# EAGLE board Mk4 Final Panel 6up 3x2 (EAGLE 9.0.1), part 16 of 18 (continued)
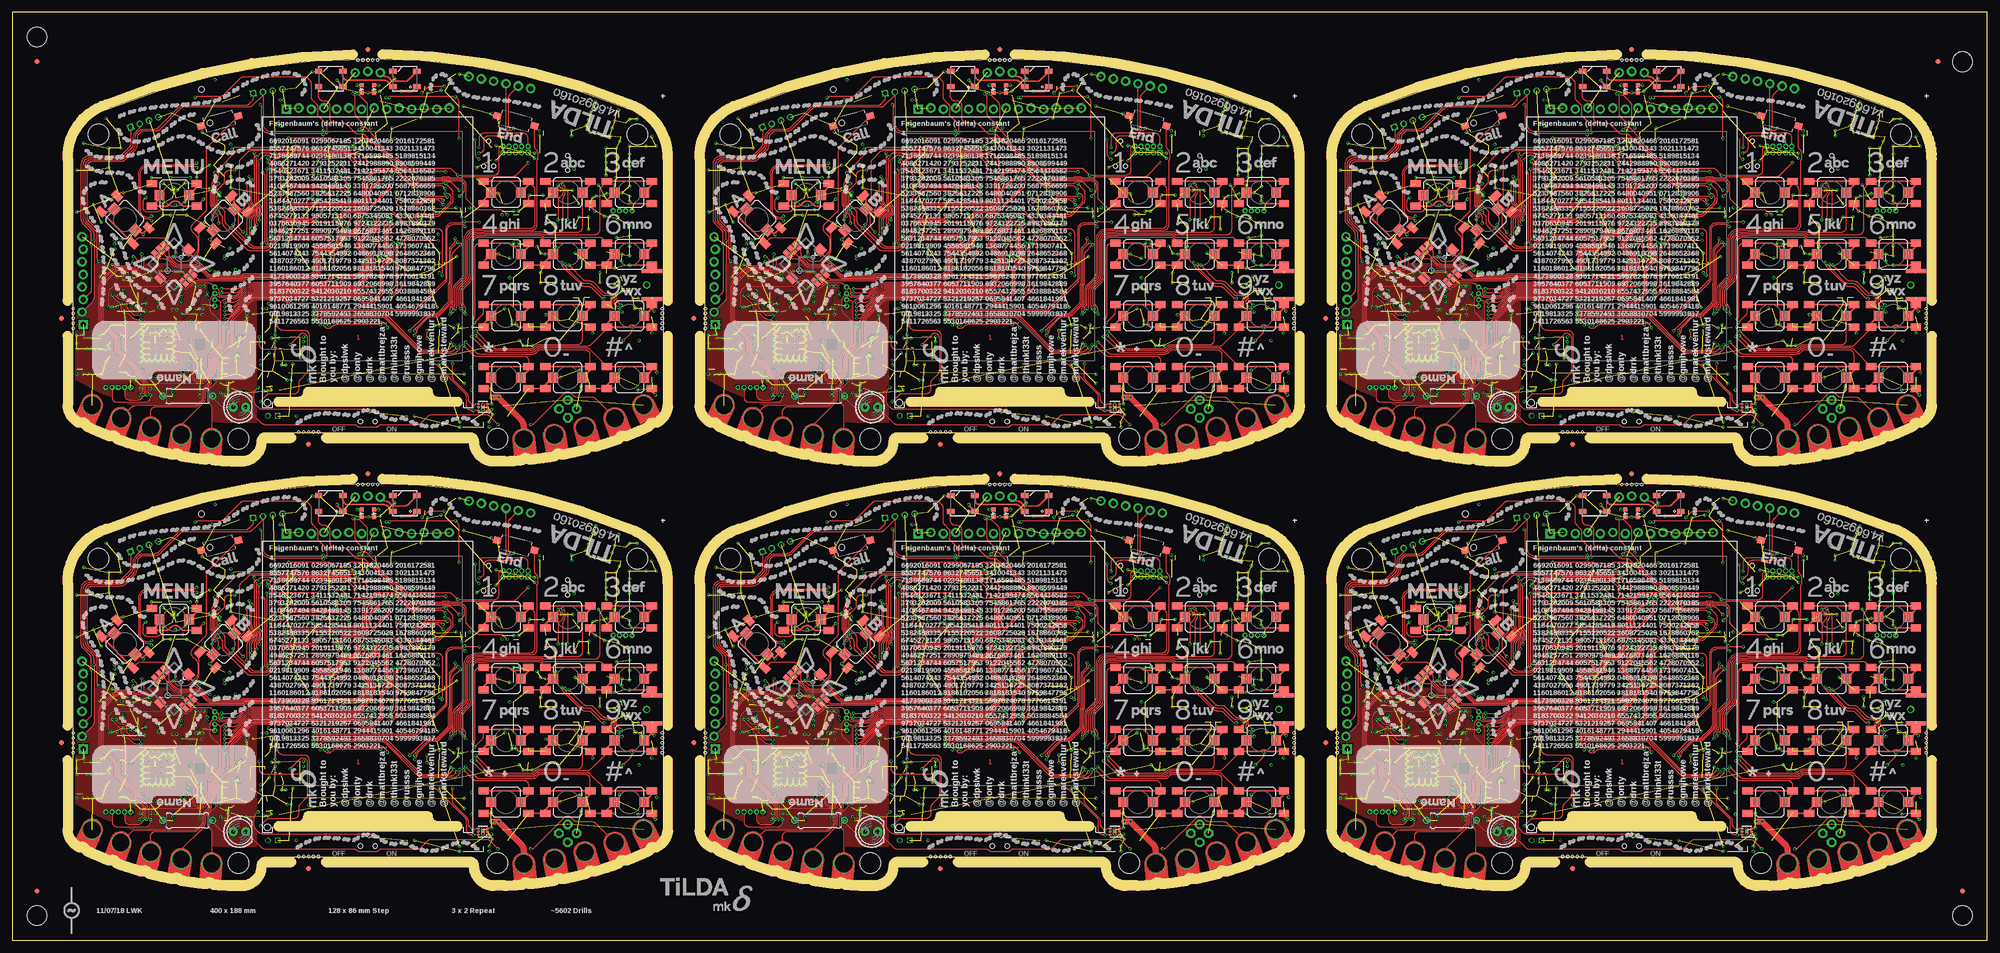
[diagram p0: board, top side]
## Tracks (layer width: path | path; a pad name or v marks a point on that pad's centre or on a via) (continued)
UART3_CC_TX4  (via drill 0.3)
  Top 0.15: v291.75,29.75 292.45,29.05 292.45,28.2 arc90 293.7,26.95 293.85,26.95 arc90 295.1,28.2 arc-45 295.49,29.14 295.73,29.38 arc45 296.1,30.27 296.1,31.62 arc-45 296.76,33.21 297.88,34.33 arc45 298.25,35.22 298.25,43.25 | 298.25,43.25 298.71,43.71 arc-45 299.41,44 300.96,44 arc45 302.02,44.44 302.88,45.3 arc-45 304.82,46.1 325.03,46.1 arc45 326.09,46.54 328.41,48.85 arc45 328.7,49.56 328.7,50.02 arc-45 328.85,50.37 329.05,50.58 arc45 329.2,50.93 329.2,57.09 arc-45 329.41,57.59 329.75,57.94 arc45 329.9,58.29 329.9,58.3 arc-45 330.05,58.66 arc45 330.12,58.84 330.12,59.67 arc-45 330.27,60.02 v330.75,60.5 | JP43.2 297.32,43.77 arc-45 298.02,43.48 298.25,43.25
  Bottom 0.15: IC83.57 arc-90 290.65,33.55 290.65,32.06 arc45 290.71,31.92 290.77,31.86 arc-45 290.82,31.72 290.82,31.09 arc45 291.12,30.38 v291.75,29.75 R381.1 | v330.75,60.5 330.75,62.27 arc-90 331.75,63.27 333.62,63.27 333.69,63.2 IC74.117
UART3_CC_TX6  (via drill 0.3)
  Top 0.15: v291.75,115.75 292.45,115.05 292.45,114.2 arc90 293.7,112.95 293.85,112.95 arc90 295.1,114.2 arc-45 295.49,115.14 295.73,115.38 arc45 296.1,116.27 296.1,117.62 arc-45 296.76,119.21 297.88,120.33 arc45 298.25,121.22 298.25,129.25 | 298.25,129.25 298.71,129.71 arc-45 299.41,130 300.96,130 arc45 302.02,130.44 302.88,131.3 arc-45 304.82,132.1 325.03,132.1 arc45 326.09,132.54 328.41,134.85 arc45 328.7,135.56 328.7,136.02 arc-45 328.85,136.37 329.05,136.58 arc45 329.2,136.93 329.2,143.09 arc-45 329.41,143.59 329.75,143.94 arc45 329.9,144.29 329.9,144.3 arc-45 330.05,144.66 arc45 330.12,144.84 330.12,145.67 arc-45 330.27,146.02 v330.75,146.5 | JP61.2 297.32,129.77 arc-45 298.02,129.48 298.25,129.25
  Bottom 0.15: IC119.57 arc-90 290.65,119.55 290.65,118.06 arc45 290.71,117.92 290.77,117.86 arc-45 290.82,117.72 290.82,117.09 arc45 291.12,116.38 v291.75,115.75 R537.1 | v330.75,146.5 330.75,148.28 arc-90 331.75,149.28 333.62,149.28 333.69,149.2 IC110.117
UART4_EXT_RX  (via drill 0.3)
  Top 0.15: PCB.CH3 28.04,21.1 arc-90 29.04,22.1 36.88,22.1 arc45 37.77,22.47 38.48,23.18 arc45 38.85,24.07 38.85,24.93 arc-45 39.29,25.99 39.73,26.43 arc45 40.1,27.32 40.1,27.86 arc-45 40.47,28.74 arc45 41,30.03 41,31.55 arc-45 41.44,32.61 43.41,34.58 arc45 43.7,35.29 v43.7,37.5 | v71.4,51.7 71.35,51.65 arc45 71.2,51.29 71.2,50.37 arc-45 70.83,49.48 70.42,49.07 arc-45 69.53,48.7 65.61,48.7 arc45 64.91,48.41 63.87,47.37 arc-45 62.98,47 48.76,47 arc45 46.38,46.08 45.8,45.49 arc-45 45.09,45.2 v42.4,45.2
  Top 0.2: J10.1 arc-45 24.1,78.32 24.1,75.51 arc-45 23.81,74.81 22.29,73.29 arc-45 21.59,73 15.75,73 arc90 14,71.25 14,59.91 arc45 14.29,59.21 15.71,57.79 arc-45 16,57.09 v16,55 16,45.87 arc-45 15.71,45.16 JP6.3
  3V3@2 0.15: 28,17.87 PCB.CH3 | v42.4,45.2 42.3,45.2 41.75,45.75 41.75,46.73 40.95,47.53 v40.95,49.35 | v20.7,55 v16,55
  Bottom 0.15: v71.4,51.7 71.32,51.78 arc-45 71.18,52.13 71.18,53.37 arc45 71.03,53.72 70.85,53.9 arc-45 70.7,54.26 70.7,55.26 arc-45 70.99,55.97 71.11,56.08 arc45 71.4,56.79 IC1.18 | v42.4,45.2 arc-45 42.91,44.99 43.71,44.19 arc-45 44,43.49 44,38.21 arc-45 v43.71,37.51 v43.7,37.5 | v20.7,55 32.41,55 arc-45 33.12,54.71 34.71,53.11 arc45 35.95,52.6 38.9,52.6 arc-90 39.9,51.6 39.9,51.03 arc45 40.03,50.73 40.63,50.12 arc-45 v40.95,49.35
  Bottom 0.3: J10.5 J10.1
UART4_EXT_RX1  (via drill 0.3)
  Top 0.15: PCB1.CH3 156.04,21.1 arc-90 157.04,22.1 164.88,22.1 arc45 165.77,22.47 166.48,23.18 arc45 166.85,24.07 166.85,24.93 arc-45 167.29,25.99 167.73,26.43 arc45 168.1,27.32 168.1,27.86 arc-45 168.47,28.74 arc45 169,30.03 169,31.55 arc-45 169.44,32.61 171.41,34.58 arc45 171.7,35.29 v171.7,37.5 | v199.4,51.7 199.35,51.65 arc45 199.2,51.29 199.2,50.37 arc-45 198.83,49.48 198.42,49.07 arc-45 197.53,48.7 193.61,48.7 arc45 192.91,48.41 191.87,47.37 arc-45 190.98,47 176.76,47 arc45 174.38,46.08 173.8,45.49 arc-45 173.09,45.2 v170.4,45.2
  Top 0.2: J16.1 arc-45 152.1,78.32 152.1,75.51 arc-45 151.81,74.81 150.29,73.29 arc-45 149.59,73 143.75,73 arc90 142,71.25 142,59.91 arc45 142.29,59.21 143.71,57.79 arc-45 144,57.09 v144,55 144,45.87 arc-45 143.71,45.16 JP17.3
  3V3@2 0.15: 156,17.87 PCB1.CH3 | v170.4,45.2 170.3,45.2 169.75,45.75 169.75,46.73 168.95,47.53 v168.95,49.35 | v148.7,55 v144,55
  Bottom 0.15: v199.4,51.7 199.32,51.78 arc-45 199.18,52.13 199.18,53.37 arc45 199.03,53.72 198.85,53.9 arc-45 198.7,54.26 198.7,55.26 arc-45 198.99,55.97 199.11,56.08 arc45 199.4,56.79 IC20.18 | v170.4,45.2 arc-45 170.91,44.99 171.71,44.19 arc-45 172,43.49 172,38.21 arc-45 v171.71,37.51 v171.7,37.5 | v148.7,55 160.41,55 arc-45 161.12,54.71 162.71,53.11 arc45 163.95,52.6 166.9,52.6 arc-90 167.9,51.6 167.9,51.03 arc45 168.03,50.73 168.63,50.12 arc-45 v168.95,49.35
  Bottom 0.3: J16.5 J16.1
UART4_EXT_RX2  (via drill 0.3)
  Top 0.15: PCB2.CH3 28.04,107.1 arc-90 29.04,108.1 36.88,108.1 arc45 37.77,108.47 38.48,109.18 arc45 38.85,110.07 38.85,110.93 arc-45 39.29,111.99 39.73,112.43 arc45 40.1,113.32 40.1,113.86 arc-45 40.47,114.74 arc45 41,116.03 41,117.55 arc-45 41.44,118.61 43.41,120.58 arc45 43.7,121.29 v43.7,123.5 | v71.4,137.7 71.35,137.65 arc45 71.2,137.29 71.2,136.37 arc-45 70.83,135.48 70.42,135.07 arc-45 69.53,134.7 65.61,134.7 arc45 64.91,134.41 63.87,133.37 arc-45 62.98,133 48.76,133 arc45 46.38,132.07 45.8,131.49 arc-45 45.09,131.2 v42.4,131.2
  Top 0.2: J26.1 arc-45 24.1,164.32 24.1,161.51 arc-45 23.81,160.81 22.29,159.29 arc-45 21.59,159 15.75,159 arc90 14,157.25 14,145.91 arc45 14.29,145.21 15.71,143.79 arc-45 16,143.09 v16,141 16,131.87 arc-45 15.71,131.16 JP26.3
  3V3@2 0.15: 28,103.87 PCB2.CH3 | v42.4,131.2 42.3,131.2 41.75,131.75 41.75,132.73 40.95,133.53 v40.95,135.35 | v20.7,141 v16,141
  Bottom 0.15: v71.4,137.7 71.32,137.78 arc-45 71.18,138.13 71.18,139.37 arc45 71.03,139.72 70.85,139.9 arc-45 70.7,140.26 70.7,141.26 arc-45 70.99,141.97 71.11,142.08 arc45 71.4,142.79 IC38.18 | v42.4,131.2 arc-45 42.91,130.99 43.71,130.19 arc-45 44,129.49 44,124.21 arc-45 v43.71,123.51 v43.7,123.5 | v20.7,141 32.41,141 arc-45 33.12,140.71 34.71,139.11 arc45 35.95,138.6 38.9,138.6 arc-90 39.9,137.6 39.9,137.03 arc45 40.03,136.73 40.63,136.12 arc-45 v40.95,135.35
  Bottom 0.3: J26.5 J26.1
UART4_EXT_RX3  (via drill 0.3)
  Top 0.15: PCB3.CH3 156.04,107.1 arc-90 157.04,108.1 164.88,108.1 arc45 165.77,108.47 166.48,109.18 arc45 166.85,110.07 166.85,110.93 arc-45 167.29,111.99 167.73,112.43 arc45 168.1,113.32 168.1,113.86 arc-45 168.47,114.74 arc45 169,116.03 169,117.55 arc-45 169.44,118.61 171.41,120.58 arc45 171.7,121.29 v171.7,123.5 | v199.4,137.7 199.35,137.65 arc45 199.2,137.29 199.2,136.37 arc-45 198.83,135.48 198.42,135.07 arc-45 197.53,134.7 193.61,134.7 arc45 192.91,134.41 191.87,133.37 arc-45 190.98,133 176.76,133 arc45 174.38,132.07 173.8,131.49 arc-45 173.09,131.2 v170.4,131.2
  Top 0.2: J36.1 arc-45 152.1,164.32 152.1,161.51 arc-45 151.81,160.81 150.29,159.29 arc-45 149.59,159 143.75,159 arc90 142,157.25 142,145.91 arc45 142.29,145.21 143.71,143.79 arc-45 144,143.09 v144,141 144,131.87 arc-45 143.71,131.16 JP35.3
  3V3@2 0.15: 156,103.87 PCB3.CH3 | v170.4,131.2 170.3,131.2 169.75,131.75 169.75,132.73 168.95,133.53 v168.95,135.35 | v148.7,141 v144,141
  Bottom 0.15: v199.4,137.7 199.32,137.78 arc-45 199.18,138.13 199.18,139.37 arc45 199.03,139.72 198.85,139.9 arc-45 198.7,140.26 198.7,141.26 arc-45 198.99,141.97 199.11,142.08 arc45 199.4,142.79 IC56.18 | v170.4,131.2 arc-45 170.91,130.99 171.71,130.19 arc-45 172,129.49 172,124.21 arc-45 v171.71,123.51 v171.7,123.5 | v148.7,141 160.41,141 arc-45 161.12,140.71 162.71,139.11 arc45 163.95,138.6 166.9,138.6 arc-90 167.9,137.6 167.9,137.03 arc45 168.03,136.73 168.63,136.12 arc-45 v168.95,135.35
  Bottom 0.3: J36.5 J36.1
UART4_EXT_RX4  (via drill 0.3)
  Top 0.15: PCB4.CH3 284.04,21.1 arc-90 285.04,22.1 292.88,22.1 arc45 293.77,22.47 294.48,23.18 arc45 294.85,24.07 294.85,24.93 arc-45 295.29,25.99 295.73,26.43 arc45 296.1,27.32 296.1,27.86 arc-45 296.47,28.74 arc45 297,30.03 297,31.55 arc-45 297.44,32.61 299.41,34.58 arc45 299.7,35.29 v299.7,37.5 | v327.4,51.7 327.35,51.65 arc45 327.2,51.29 327.2,50.37 arc-45 326.83,49.48 326.42,49.07 arc-45 325.53,48.7 321.61,48.7 arc45 320.91,48.41 319.87,47.37 arc-45 318.98,47 304.76,47 arc45 302.38,46.08 301.8,45.49 arc-45 301.1,45.2 v298.4,45.2
  Top 0.2: J46.1 arc-45 280.1,78.32 280.1,75.51 arc-45 279.81,74.81 278.29,73.29 arc-45 277.59,73 271.75,73 arc90 270,71.25 270,59.91 arc45 270.29,59.21 271.71,57.79 arc-45 272,57.09 v272,55 272,45.87 arc-45 271.71,45.16 JP44.3
  3V3@2 0.15: 284,17.87 PCB4.CH3 | v298.4,45.2 298.3,45.2 297.75,45.75 297.75,46.73 296.95,47.53 v296.95,49.35 | v276.7,55 v272,55
  Bottom 0.15: v327.4,51.7 327.32,51.78 arc-45 327.18,52.13 327.18,53.37 arc45 327.03,53.72 326.85,53.9 arc-45 326.7,54.26 326.7,55.26 arc-45 326.99,55.97 327.11,56.08 arc45 327.4,56.79 IC74.18 | v298.4,45.2 arc-45 298.91,44.99 299.71,44.19 arc-45 300,43.49 300,38.21 arc-45 v299.71,37.51 v299.7,37.5 | v276.7,55 288.41,55 arc-45 289.12,54.71 290.71,53.11 arc45 291.95,52.6 294.9,52.6 arc-90 295.9,51.6 295.9,51.03 arc45 296.03,50.73 296.63,50.12 arc-45 v296.95,49.35
  Bottom 0.3: J46.5 J46.1
UART4_EXT_RX6  (via drill 0.3)
  Top 0.15: PCB6.CH3 284.04,107.1 arc-90 285.04,108.1 292.88,108.1 arc45 293.77,108.47 294.48,109.18 arc45 294.85,110.07 294.85,110.93 arc-45 295.29,111.99 295.73,112.43 arc45 296.1,113.32 296.1,113.86 arc-45 296.47,114.74 arc45 297,116.03 297,117.55 arc-45 297.44,118.61 299.41,120.58 arc45 299.7,121.29 v299.7,123.5 | v327.4,137.7 327.35,137.65 arc45 327.2,137.29 327.2,136.37 arc-45 326.83,135.48 326.42,135.07 arc-45 325.53,134.7 321.61,134.7 arc45 320.91,134.41 319.87,133.37 arc-45 318.98,133 304.76,133 arc45 302.38,132.07 301.8,131.49 arc-45 301.1,131.2 v298.4,131.2
  Top 0.2: J66.1 arc-45 280.1,164.32 280.1,161.51 arc-45 279.81,160.81 278.29,159.29 arc-45 277.59,159 271.75,159 arc90 270,157.25 270,145.91 arc45 270.29,145.21 271.71,143.79 arc-45 272,143.09 v272,141 272,131.87 arc-45 271.71,131.16 JP62.3
  3V3@2 0.15: 284,103.87 PCB6.CH3 | v298.4,131.2 298.3,131.2 297.75,131.75 297.75,132.73 296.95,133.53 v296.95,135.35 | v276.7,141 v272,141
  Bottom 0.15: v327.4,137.7 327.32,137.78 arc-45 327.18,138.13 327.18,139.37 arc45 327.03,139.72 326.85,139.9 arc-45 326.7,140.26 326.7,141.26 arc-45 326.99,141.97 327.11,142.08 arc45 327.4,142.79 IC110.18 | v298.4,131.2 arc-45 298.91,130.99 299.71,130.19 arc-45 300,129.49 300,124.21 arc-45 v299.71,123.51 v299.7,123.5 | v276.7,141 288.41,141 arc-45 289.12,140.71 290.71,139.11 arc45 291.95,138.6 294.9,138.6 arc-90 295.9,137.6 295.9,137.03 arc45 296.03,136.73 296.63,136.12 arc-45 v296.95,135.35
  Bottom 0.3: J66.5 J66.1
UART4_EXT_TX  (via drill 0.3)
  Top 0.15: PCB.CH4 24.29,22.11 arc-45 25,22.4 36.86,22.4 arc45 37.57,22.69 38.26,23.38 arc45 38.55,24.09 38.55,24.95 arc-45 39.06,26.19 39.51,26.63 arc45 39.8,27.34 39.8,27.88 arc-45 40.24,28.94 arc45 40.7,30.05 40.7,31.57 arc-45 41.21,32.81 42.39,33.99 arc45 42.9,35.23 42.9,37.39 arc-45 v43.19,38.09 v43.2,38.1 | v70.65,51.7 70.75,51.6 arc-45 70.9,51.24 70.9,50.39 arc-45 70.61,49.68 70.22,49.29 arc-45 69.51,49 65.57,49 arc45 64.68,48.63 63.64,47.59 arc-45 62.94,47.3 48.74,47.3 arc45 46.19,46.3 46.18,46.29 arc-45 45.47,46 v42.4,46
  Top 0.2: J10.2 25.81,79.03 arc-45 25.52,78.32 24.94,77.74 arc45 24.5,76.68 24.5,75.42 arc-45 24.13,74.53 22.57,72.97 arc-45 21.68,72.6 15.9,72.6 arc90 14.4,71.1 14.4,60.06 arc45 14.69,59.36 16.26,57.79 arc-45 16.55,57.09 v16.55,55.8 16.55,44.13 arc-45 16.26,43.42 JP6.2
  3V3@2 0.15: v20.7,55.8 v16.55,55.8 | v41.7,49.35 41.7,47.3 42.4,46.6 v42.4,46
  Bottom 0.15: v70.65,51.7 70.73,51.78 arc45 70.88,52.13 70.88,53.22 arc45 70.73,53.57 70.5,53.8 arc-45 70.35,54.16 70.35,55.34 arc-45 70.64,56.04 70.85,56.25 arc45 71,56.61 IC1.19 | v43.2,38.1 43.41,38.31 arc45 43.7,39.01 43.7,43.29 arc45 43.41,43.99 43.09,44.31 arc45 42.39,44.6 42.3,44.6 arc-90 41.8,45.1 41.8,45.5 arc-90 42.3,46 v42.4,46 | v20.7,55.8 20.91,55.59 arc45 21.61,55.3 32.43,55.3 arc-45 33.32,54.93 34.91,53.34 arc45 35.97,52.9 38.95,52.9 arc-90 40.2,51.65 40.2,51.2 arc45 40.36,50.82 41.61,49.56 arc-45 v41.7,49.35
  Bottom 0.3: J10.6 J10.2
UART4_EXT_TX1  (via drill 0.3)
  Top 0.15: PCB1.CH4 152.29,22.11 arc-45 153,22.4 164.86,22.4 arc45 165.57,22.69 166.26,23.38 arc45 166.55,24.09 166.55,24.95 arc-45 167.06,26.19 167.51,26.63 arc45 167.8,27.34 167.8,27.88 arc-45 168.24,28.94 arc45 168.7,30.05 168.7,31.57 arc-45 169.21,32.81 170.39,33.99 arc45 170.9,35.23 170.9,37.39 arc-45 v171.19,38.09 v171.2,38.1 | v198.65,51.7 198.75,51.6 arc-45 198.9,51.24 198.9,50.39 arc-45 198.61,49.68 198.22,49.29 arc-45 197.51,49 193.57,49 arc45 192.68,48.63 191.64,47.59 arc-45 190.94,47.3 176.74,47.3 arc45 174.19,46.3 174.18,46.29 arc-45 173.47,46 v170.4,46
  Top 0.2: J16.2 153.81,79.03 arc-45 153.52,78.32 152.94,77.74 arc45 152.5,76.68 152.5,75.42 arc-45 152.13,74.53 150.57,72.97 arc-45 149.68,72.6 143.9,72.6 arc90 142.4,71.1 142.4,60.06 arc45 142.69,59.36 144.26,57.79 arc-45 144.55,57.09 v144.55,55.8 144.55,44.13 arc-45 144.26,43.42 JP17.2
  3V3@2 0.15: v148.7,55.8 v144.55,55.8 | v169.7,49.35 169.7,47.3 170.4,46.6 v170.4,46
  Bottom 0.15: v198.65,51.7 198.73,51.78 arc45 198.88,52.13 198.88,53.22 arc45 198.73,53.57 198.5,53.8 arc-45 198.35,54.16 198.35,55.34 arc-45 198.64,56.04 198.85,56.25 arc45 199,56.61 IC20.19 | v171.2,38.1 171.41,38.31 arc45 171.7,39.01 171.7,43.29 arc45 171.41,43.99 171.09,44.31 arc45 170.39,44.6 170.3,44.6 arc-90 169.8,45.1 169.8,45.5 arc-90 170.3,46 v170.4,46 | v148.7,55.8 148.91,55.59 arc45 149.61,55.3 160.43,55.3 arc-45 161.32,54.93 162.91,53.34 arc45 163.97,52.9 166.95,52.9 arc-90 168.2,51.65 168.2,51.2 arc45 168.36,50.82 169.61,49.56 arc-45 v169.7,49.35
  Bottom 0.3: J16.6 J16.2
UART4_EXT_TX2  (via drill 0.3)
  Top 0.15: PCB2.CH4 24.29,108.11 arc-45 25,108.4 36.86,108.4 arc45 37.57,108.69 38.26,109.38 arc45 38.55,110.09 38.55,110.95 arc-45 39.06,112.19 39.51,112.63 arc45 39.8,113.34 39.8,113.88 arc-45 40.24,114.94 arc45 40.7,116.05 40.7,117.58 arc-45 41.21,118.81 42.39,119.99 arc45 42.9,121.22 42.9,123.39 arc-45 v43.19,124.09 v43.2,124.1 | v70.65,137.7 70.75,137.6 arc-45 70.9,137.24 70.9,136.39 arc-45 70.61,135.68 70.22,135.29 arc-45 69.51,135 65.57,135 arc45 64.68,134.63 63.64,133.59 arc-45 62.94,133.3 48.74,133.3 arc45 46.19,132.3 46.18,132.29 arc-45 45.47,132 v42.4,132
  Top 0.2: J26.2 25.81,165.03 arc-45 25.52,164.32 24.94,163.74 arc45 24.5,162.68 24.5,161.42 arc-45 24.13,160.53 22.57,158.97 arc-45 21.68,158.6 15.9,158.6 arc90 14.4,157.1 14.4,146.06 arc45 14.69,145.36 16.26,143.79 arc-45 16.55,143.09 v16.55,141.8 16.55,130.13 arc-45 16.26,129.42 JP26.2
  3V3@2 0.15: v20.7,141.8 v16.55,141.8 | v41.7,135.35 41.7,133.3 42.4,132.6 v42.4,132
  Bottom 0.15: v70.65,137.7 70.73,137.78 arc45 70.88,138.13 70.88,139.22 arc45 70.73,139.57 70.5,139.8 arc-45 70.35,140.16 70.35,141.34 arc-45 70.64,142.04 70.85,142.25 arc45 71,142.61 IC38.19 | v43.2,124.1 43.41,124.31 arc45 43.7,125.01 43.7,129.29 arc45 43.41,129.99 43.09,130.31 arc45 42.39,130.6 42.3,130.6 arc-90 41.8,131.1 41.8,131.5 arc-90 42.3,132 v42.4,132 | v20.7,141.8 20.91,141.59 arc45 21.61,141.3 32.43,141.3 arc-45 33.32,140.93 34.91,139.34 arc45 35.97,138.9 38.95,138.9 arc-90 40.2,137.65 40.2,137.2 arc45 40.36,136.82 41.61,135.56 arc-45 v41.7,135.35
  Bottom 0.3: J26.6 J26.2
UART4_EXT_TX3  (via drill 0.3)
  Top 0.15: PCB3.CH4 152.29,108.11 arc-45 153,108.4 164.86,108.4 arc45 165.57,108.69 166.26,109.38 arc45 166.55,110.09 166.55,110.95 arc-45 167.06,112.19 167.51,112.63 arc45 167.8,113.34 167.8,113.88 arc-45 168.24,114.94 arc45 168.7,116.05 168.7,117.58 arc-45 169.21,118.81 170.39,119.99 arc45 170.9,121.22 170.9,123.39 arc-45 v171.19,124.09 v171.2,124.1 | v198.65,137.7 198.75,137.6 arc-45 198.9,137.24 198.9,136.39 arc-45 198.61,135.68 198.22,135.29 arc-45 197.51,135 193.57,135 arc45 192.68,134.63 191.64,133.59 arc-45 190.94,133.3 176.74,133.3 arc45 174.19,132.3 174.18,132.29 arc-45 173.47,132 v170.4,132
  Top 0.2: J36.2 153.81,165.03 arc-45 153.52,164.32 152.94,163.74 arc45 152.5,162.68 152.5,161.42 arc-45 152.13,160.53 150.57,158.97 arc-45 149.68,158.6 143.9,158.6 arc90 142.4,157.1 142.4,146.06 arc45 142.69,145.36 144.26,143.79 arc-45 144.55,143.09 v144.55,141.8 144.55,130.13 arc-45 144.26,129.42 JP35.2
  3V3@2 0.15: v148.7,141.8 v144.55,141.8 | v169.7,135.35 169.7,133.3 170.4,132.6 v170.4,132
  Bottom 0.15: v198.65,137.7 198.73,137.78 arc45 198.88,138.13 198.88,139.22 arc45 198.73,139.57 198.5,139.8 arc-45 198.35,140.16 198.35,141.34 arc-45 198.64,142.04 198.85,142.25 arc45 199,142.61 IC56.19 | v171.2,124.1 171.41,124.31 arc45 171.7,125.01 171.7,129.29 arc45 171.41,129.99 171.09,130.31 arc45 170.39,130.6 170.3,130.6 arc-90 169.8,131.1 169.8,131.5 arc-90 170.3,132 v170.4,132 | v148.7,141.8 148.91,141.59 arc45 149.61,141.3 160.43,141.3 arc-45 161.32,140.93 162.91,139.34 arc45 163.97,138.9 166.95,138.9 arc-90 168.2,137.65 168.2,137.2 arc45 168.36,136.82 169.61,135.56 arc-45 v169.7,135.35
  Bottom 0.3: J36.6 J36.2
UART4_EXT_TX4  (via drill 0.3)
  Top 0.15: PCB4.CH4 280.29,22.11 arc-45 281,22.4 292.86,22.4 arc45 293.57,22.69 294.26,23.38 arc45 294.55,24.09 294.55,24.95 arc-45 295.06,26.19 295.51,26.63 arc45 295.8,27.34 295.8,27.88 arc-45 296.24,28.94 arc45 296.7,30.05 296.7,31.57 arc-45 297.21,32.81 298.39,33.99 arc45 298.9,35.23 298.9,37.39 arc-45 v299.19,38.09 v299.2,38.1 | v326.65,51.7 326.75,51.6 arc-45 326.9,51.24 326.9,50.39 arc-45 326.61,49.68 326.22,49.29 arc-45 325.51,49 321.57,49 arc45 320.68,48.63 319.64,47.59 arc-45 318.94,47.3 304.74,47.3 arc45 302.19,46.3 302.18,46.29 arc-45 301.47,46 v298.4,46
  Top 0.2: J46.2 281.81,79.03 arc-45 281.52,78.32 280.94,77.74 arc45 280.5,76.68 280.5,75.42 arc-45 280.13,74.53 278.57,72.97 arc-45 277.68,72.6 271.9,72.6 arc90 270.4,71.1 270.4,60.06 arc45 270.69,59.36 272.26,57.79 arc-45 272.55,57.09 v272.55,55.8 272.55,44.13 arc-45 272.26,43.42 JP44.2
  3V3@2 0.15: v276.7,55.8 v272.55,55.8 | v297.7,49.35 297.7,47.3 298.4,46.6 v298.4,46
  Bottom 0.15: v326.65,51.7 326.73,51.78 arc45 326.88,52.13 326.88,53.22 arc45 326.73,53.57 326.5,53.8 arc-45 326.35,54.16 326.35,55.34 arc-45 326.64,56.04 326.85,56.25 arc45 327,56.61 IC74.19 | v299.2,38.1 299.41,38.31 arc45 299.7,39.01 299.7,43.29 arc45 299.41,43.99 299.09,44.31 arc45 298.39,44.6 298.3,44.6 arc-90 297.8,45.1 297.8,45.5 arc-90 298.3,46 v298.4,46 | v276.7,55.8 276.91,55.59 arc45 277.61,55.3 288.43,55.3 arc-45 289.32,54.93 290.91,53.34 arc45 291.97,52.9 294.95,52.9 arc-90 296.2,51.65 296.2,51.2 arc45 296.36,50.82 297.61,49.56 arc-45 v297.7,49.35
  Bottom 0.3: J46.6 J46.2
UART4_EXT_TX6  (via drill 0.3)
  Top 0.15: PCB6.CH4 280.29,108.11 arc-45 281,108.4 292.86,108.4 arc45 293.57,108.69 294.26,109.38 arc45 294.55,110.09 294.55,110.95 arc-45 295.06,112.19 295.51,112.63 arc45 295.8,113.34 295.8,113.88 arc-45 296.24,114.94 arc45 296.7,116.05 296.7,117.58 arc-45 297.21,118.81 298.39,119.99 arc45 298.9,121.22 298.9,123.39 arc-45 v299.19,124.09 v299.2,124.1 | v326.65,137.7 326.75,137.6 arc-45 326.9,137.24 326.9,136.39 arc-45 326.61,135.68 326.22,135.29 arc-45 325.51,135 321.57,135 arc45 320.68,134.63 319.64,133.59 arc-45 318.94,133.3 304.74,133.3 arc45 302.19,132.3 302.18,132.29 arc-45 301.47,132 v298.4,132
  Top 0.2: J66.2 281.81,165.03 arc-45 281.52,164.32 280.94,163.74 arc45 280.5,162.68 280.5,161.42 arc-45 280.13,160.53 278.57,158.97 arc-45 277.68,158.6 271.9,158.6 arc90 270.4,157.1 270.4,146.06 arc45 270.69,145.36 272.26,143.79 arc-45 272.55,143.09 v272.55,141.8 272.55,130.13 arc-45 272.26,129.42 JP62.2
  3V3@2 0.15: v276.7,141.8 v272.55,141.8 | v297.7,135.35 297.7,133.3 298.4,132.6 v298.4,132
  Bottom 0.15: v326.65,137.7 326.73,137.78 arc45 326.88,138.13 326.88,139.22 arc45 326.73,139.57 326.5,139.8 arc-45 326.35,140.16 326.35,141.34 arc-45 326.64,142.04 326.85,142.25 arc45 327,142.61 IC110.19 | v299.2,124.1 299.41,124.31 arc45 299.7,125.01 299.7,129.29 arc45 299.41,129.99 299.09,130.31 arc45 298.39,130.6 298.3,130.6 arc-90 297.8,131.1 297.8,131.5 arc-90 298.3,132 v298.4,132 | v276.7,141.8 276.91,141.59 arc45 277.61,141.3 288.43,141.3 arc-45 289.32,140.93 290.91,139.34 arc45 291.97,138.9 294.95,138.9 arc-90 296.2,137.65 296.2,137.2 arc45 296.36,136.82 297.61,135.56 arc-45 v297.7,135.35
  Bottom 0.3: J66.6 J66.2
USB_D_N
  Bottom 0.2: IC7.1 87.75,85
  Bottom 0.25: 87.75,85 88.26,84.49 arc45 88.96,84.2 89.64,84.2 arc45 90.34,84.49 90.95,85.1 91.15,85.1 | IC1.93 77,74.2 arc-90 78.8,76 86.65,76 arc90 87.65,77 87.65,78.85 arc-90 89.5,80.7 91.5,80.7 arc90 92.8,82 92.8,83.75 arc90 91.4,85.15 91.2,85.15 | U1.D- 81.55,86.25 81.6,86.2 81.6,85.53 arc45 81.89,84.82 82.12,84.59 arc45 82.83,84.3 85.07,84.3 arc45 85.78,84.59 85.99,84.81 arc-45 86.7,85.1 87,85.1 87.1,85 IC7.1 | 91.2,85.15 91.15,85.1 | 91.2,85.15 arc90 91.15,85.1
USB_D_N1
  Bottom 0.2: IC23.1 215.75,85
  Bottom 0.25: 215.75,85 216.26,84.49 arc45 216.96,84.2 217.64,84.2 arc45 218.34,84.49 218.95,85.1 219.15,85.1 | IC20.93 205,74.2 arc-90 206.8,76 214.65,76 arc90 215.65,77 215.65,78.85 arc-90 217.5,80.7 219.5,80.7 arc90 220.8,82 220.8,83.75 arc90 219.4,85.15 219.2,85.15 | U2.D- 209.55,86.25 209.6,86.2 209.6,85.53 arc45 209.89,84.82 210.12,84.59 arc45 210.83,84.3 213.07,84.3 arc45 213.78,84.59 213.99,84.81 arc-45 214.7,85.1 215,85.1 215.1,85 IC23.1 | 219.2,85.15 219.15,85.1 | 219.2,85.15 arc90 219.15,85.1
USB_D_N2
  Bottom 0.2: IC41.1 87.75,171
  Bottom 0.25: 87.75,171 88.26,170.49 arc45 88.96,170.2 89.64,170.2 arc45 90.34,170.49 90.95,171.1 91.15,171.1 | IC38.93 77,160.2 arc-90 78.8,162 86.65,162 arc90 87.65,163 87.65,164.85 arc-90 89.5,166.7 91.5,166.7 arc90 92.8,168 92.8,169.75 arc90 91.4,171.15 91.2,171.15 | U7.D- 81.55,172.25 81.6,172.2 81.6,171.53 arc45 81.89,170.82 82.12,170.59 arc45 82.83,170.3 85.07,170.3 arc45 85.78,170.59 85.99,170.81 arc-45 86.7,171.1 87,171.1 87.1,171 IC41.1 | 91.2,171.15 91.15,171.1 | 91.2,171.15 arc90 91.15,171.1
USB_D_N3
  Bottom 0.2: IC59.1 215.75,171
  Bottom 0.25: 215.75,171 216.26,170.49 arc45 216.96,170.2 217.64,170.2 arc45 218.34,170.49 218.95,171.1 219.15,171.1 | IC56.93 205,160.2 arc-90 206.8,162 214.65,162 arc90 215.65,163 215.65,164.85 arc-90 217.5,166.7 219.5,166.7 arc90 220.8,168 220.8,169.75 arc90 219.4,171.15 219.2,171.15 | U10.D- 209.55,172.25 209.6,172.2 209.6,171.53 arc45 209.89,170.82 210.12,170.59 arc45 210.83,170.3 213.07,170.3 arc45 213.78,170.59 213.99,170.81 arc-45 214.7,171.1 215,171.1 215.1,171 IC59.1 | 219.2,171.15 219.15,171.1 | 219.2,171.15 arc90 219.15,171.1
USB_D_N4
  Bottom 0.2: IC77.1 343.75,85
  Bottom 0.25: 343.75,85 344.26,84.49 arc45 344.96,84.2 345.64,84.2 arc45 346.34,84.49 346.95,85.1 347.15,85.1 | IC74.93 333,74.2 arc-90 334.8,76 342.65,76 arc90 343.65,77 343.65,78.85 arc-90 345.5,80.7 347.5,80.7 arc90 348.8,82 348.8,83.75 arc90 347.4,85.15 347.2,85.15 | U13.D- 337.55,86.25 337.6,86.2 337.6,85.53 arc45 337.89,84.82 338.12,84.59 arc45 338.83,84.3 341.07,84.3 arc45 341.78,84.59 341.99,84.81 arc-45 342.7,85.1 343,85.1 343.1,85 IC77.1 | 347.2,85.15 347.15,85.1 | 347.2,85.15 arc90 347.15,85.1
USB_D_N6
  Bottom 0.2: IC113.1 343.75,171
  Bottom 0.25: 343.75,171 344.26,170.49 arc45 344.96,170.2 345.64,170.2 arc45 346.34,170.49 346.95,171.1 347.15,171.1 | IC110.93 333,160.2 arc-90 334.8,162 342.65,162 arc90 343.65,163 343.65,164.85 arc-90 345.5,166.7 347.5,166.7 arc90 348.8,168 348.8,169.75 arc90 347.4,171.15 347.2,171.15 | U19.D- 337.55,172.25 337.6,172.2 337.6,171.53 arc45 337.89,170.82 338.12,170.59 arc45 338.83,170.3 341.07,170.3 arc45 341.78,170.59 341.99,170.81 arc-45 342.7,171.1 343,171.1 343.1,171 IC113.1 | 347.2,171.15 347.15,171.1 | 347.2,171.15 arc90 347.15,171.1
USB_D_P
  Bottom 0.2: IC7.2 89.35,85.5 89.5,85.65
  Bottom 0.25: 89.5,85.65 91.1,85.65 91.2,85.55 91.4,85.55 arc-90 93.2,83.75 93.2,82 arc-90 91.5,80.3 89.5,80.3 arc90 88.05,78.85 88.05,77 arc-90 86.65,75.6 78.8,75.6 arc90 77.4,74.2 IC1.94 | U1.D+ 82.2,86.4 82,86.2 82,85.69 arc45 82.29,84.99 arc45 83,84.7 84.9,84.7 arc45 85.61,84.99 85.82,85.21 arc-45 86.53,85.5 IC7.2
USB_D_P1
  Bottom 0.2: IC23.2 217.35,85.5 217.5,85.65
  Bottom 0.25: 217.5,85.65 219.1,85.65 219.2,85.55 219.4,85.55 arc-90 221.2,83.75 221.2,82 arc-90 219.5,80.3 217.5,80.3 arc90 216.05,78.85 216.05,77 arc-90 214.65,75.6 206.8,75.6 arc90 205.4,74.2 IC20.94 | U2.D+ 210.2,86.4 210,86.2 210,85.69 arc45 210.29,84.99 arc45 211,84.7 212.9,84.7 arc45 213.61,84.99 213.82,85.21 arc-45 214.53,85.5 IC23.2
USB_D_P2
  Bottom 0.2: IC41.2 89.35,171.5 89.5,171.65
  Bottom 0.25: 89.5,171.65 91.1,171.65 91.2,171.55 91.4,171.55 arc-90 93.2,169.75 93.2,168 arc-90 91.5,166.3 89.5,166.3 arc90 88.05,164.85 88.05,163 arc-90 86.65,161.6 78.8,161.6 arc90 77.4,160.2 IC38.94 | U7.D+ 82.2,172.4 82,172.2 82,171.69 arc45 82.29,170.99 arc45 83,170.7 84.9,170.7 arc45 85.61,170.99 85.82,171.21 arc-45 86.53,171.5 IC41.2
USB_D_P3
  Bottom 0.2: IC59.2 217.35,171.5 217.5,171.65